# KiCad board SNES_AdvancedFlash_1-2.kicad_pcb (continued)
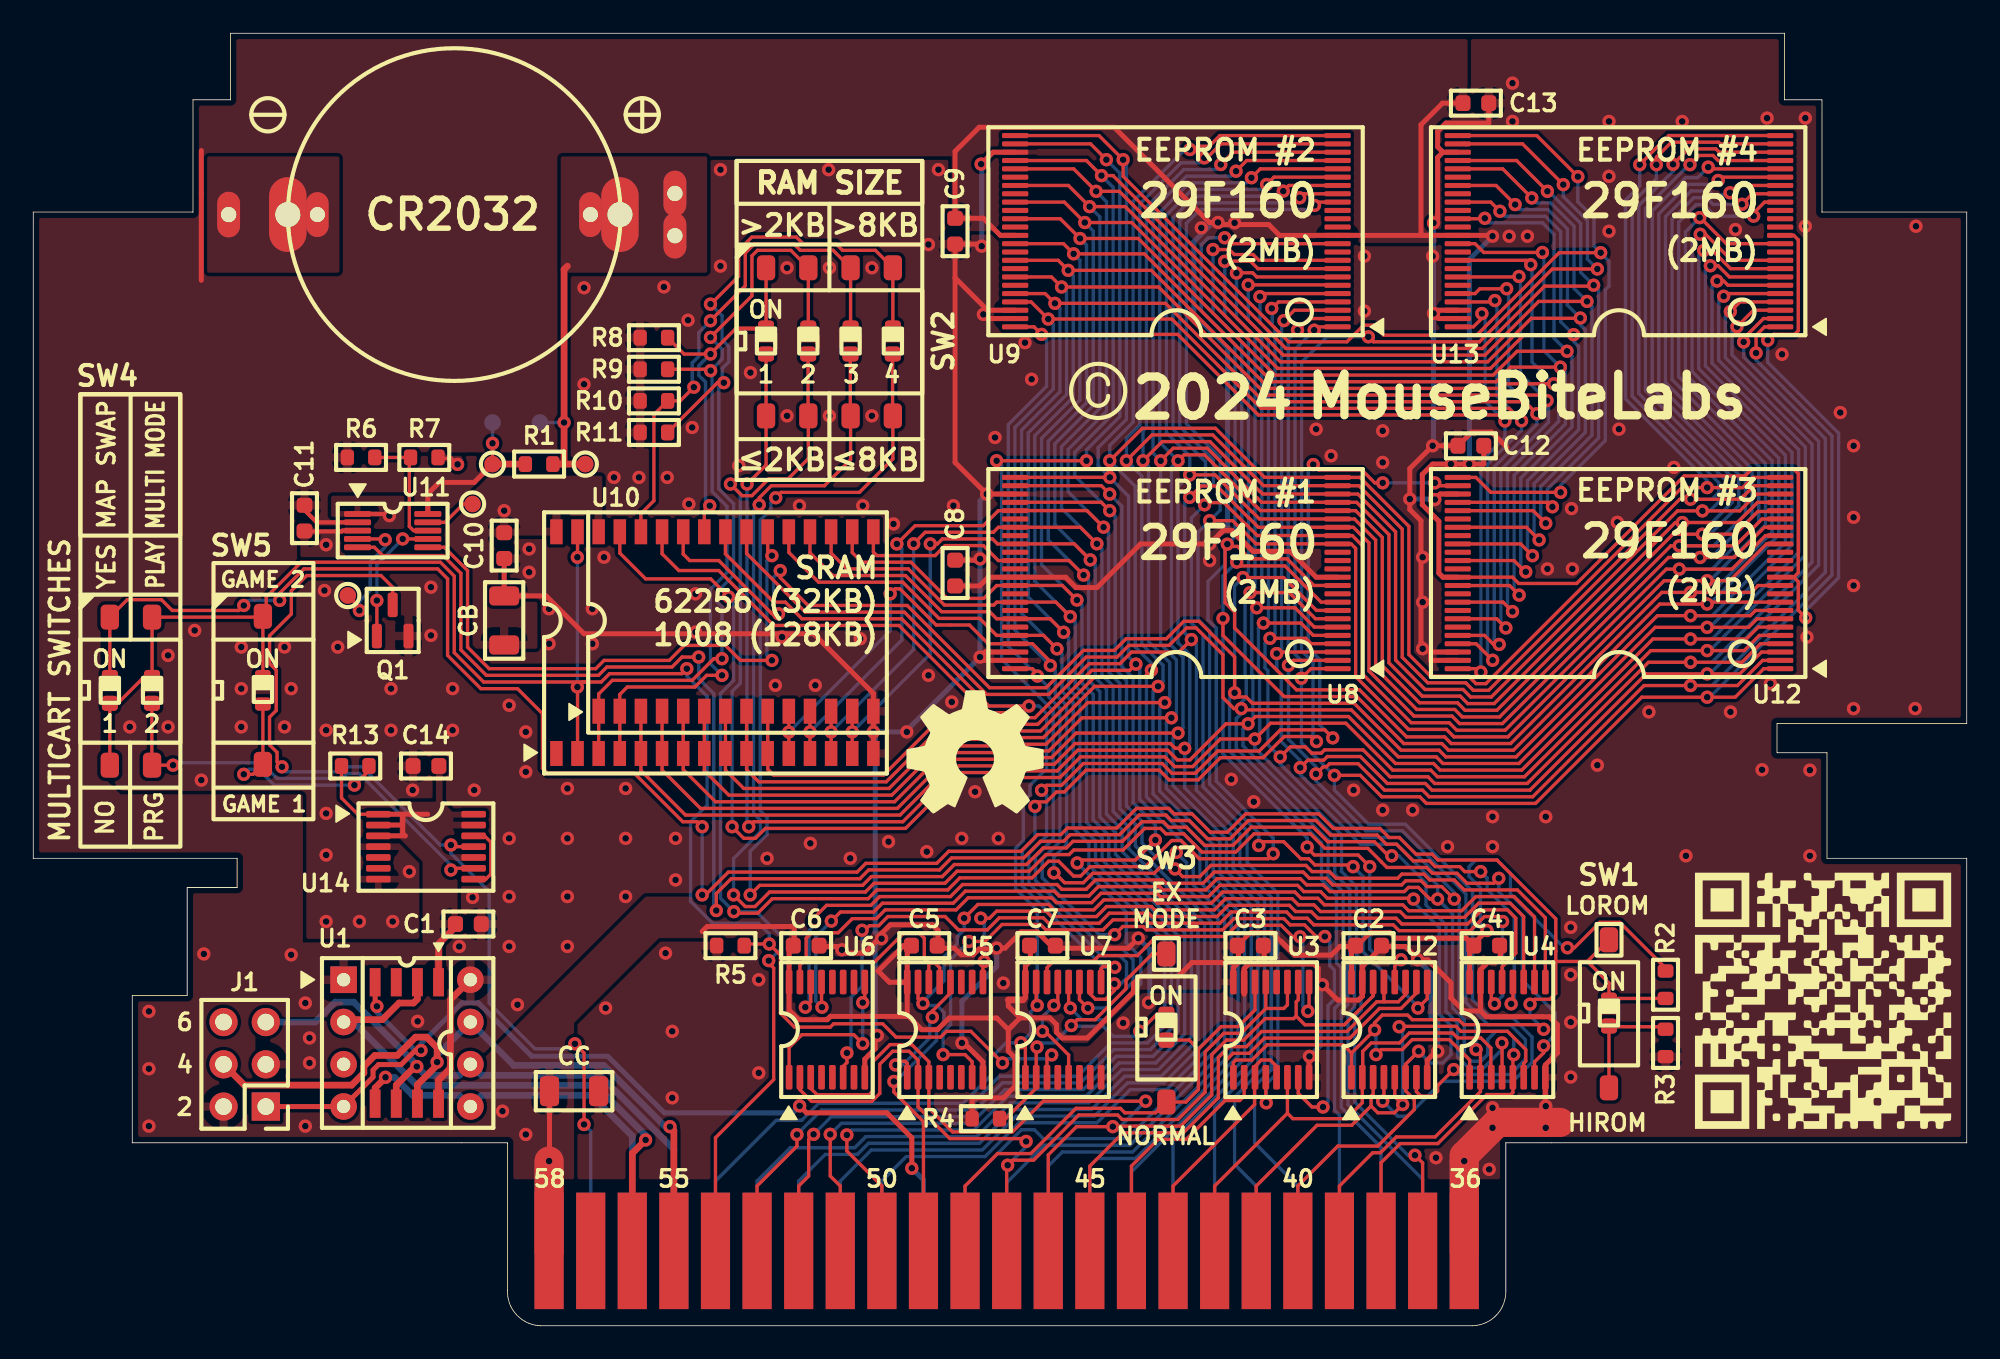
[diagram p0: board, top side]
## Routing (per net, layer and track width the routed paths; a pad name or vN(x,y) marks a point on that pad's centre or on a via; arc(x,y) is an arc through that point) (continued)
  Bottom w1.75: P1.5 v1(86,9.9)
  vias: v1(5.8,36) v1(8.1,40.3) v1(8.1,36) v1(9.7,41.8) v1(10.1,32.8) v1(12.5,40.8) v1(12.5,38.3) v1(12.5,36) v1(15.1,40.8) v1(15.1,36) v1(15.5,38.3) v1(16.6,17.3) v1(16.6,15.8) v1(17.5,44.2) v1(17.6,46.95) v1(17.6,35.8) v1(17.6,30.8) v1(17.6,28.3) v1(17.6,24.3) v1(18.3,40.8) v1(19.6,24.3) v1(21.5,38.3) v1(21.5,35.8) v1(21.6,24.3) v1(22.6,27.3) v1(22.8,32.2) v1(23.1,18.3) v1(23.9,44.4) v1(23.9,41.5) v1(25.2,38.3) v1(25.2,35.8) v1(25.6,22.8) v1(26.4,25.75) v1(26.5,32.2) v1(28.6,37.3) v1(28.6,29.3) v1(28.6,25.8) v1(28.6,22.8) v1(29.1,19.3) v1(29.6,35.7) v1(29.6,33.3) v1(29.8,46.7) v1(29.8,45.3) v1(31,43.1) v1(31,41) v1(32.1,32.3) v1(32.1,29.3) v1(32.1,25.8) v1(32.1,22.8) v1(33.1,62.4) v1(33.1,56.6) v1(33.6,43.1) v1(33.6,41) v1(34.3,46.2) v1(34.4,19.1) v1(34.9,51) v1(35.6,32.3) v1(35.6,29.3) v1(35.6,25.8) v1(36.4,51) v1(37.9,62.45) v1(38,22.4) v1(38.1,51) v1(38.4,17.7) v1(38.4,13.7) v1(38.6,29.3) v1(38.6,26.8) v1(39.35,60.45) v1(39.4,49.4) v1(39.6,54) v1(39.8,44) v1(39.8,41.7) v1(41.3,69.5) v1(41.3,63.7) v1(42.4,51.7) v1(43.1,57.3) v1(43.6,20.8) v1(43.6,15.2) v1(44.1,28.1) v1(44.6,38.5) v1(45,41.4) v1(45.3,63.6) v1(45.3,54.7) v1(46.05,49.3) v1(46.7,29) v1(47,38.5) v1(47.8,69.5) v1(47.85,63.6) v1(47.85,54.7) v1(49.1,28.1) v1(49.7,41.3) v1(49.85,49.3) v1(50.4,63.6) v1(50.4,54.7) v1(51.4,29.1) v1(51.7,48.2) v1(52.5,35.7) v1(53.7,28.5) v1(53.8,65) v1(53.8,39.1) v1(54.4,69.5) v1(55.2,37.5) v1(55.3,49.3) v1(55.8,29.3) v1(56.6,32.1) v1(57.8,53.4) v1(58,29.3) v1(58.3,20.6) v1(59.6,59.1) v1(60,56.9) v1(65.5,18.2) v1(72,32.85) v1(73.35,31.5) v1(77.1,53.9) v1(78,52.3) v1(79.35,32.2) v1(80,64.3) v1(80,61) v1(81.1,53.8) v1(81.1,51.9) v1(81.1,31) v1(82.9,31) v1(83.5,46.2) v1(83.5,43.5) v1(83.5,40.7) v1(84.1,64.3) v1(84.3,10.1) v1(85,28.8) v1(87.5,9.4) v1(87.7,30.6) v1(87.7,28.8) v1(87.7,13.1) v1(87.7,11.9) v1(88.9,74.7) v1(88.9,72.4) v1(90.9,30.6) v1(90.9,13.2) v1(90.9,11.9) v1(91,45.5) v1(92.45,49.12) v1(92.4,23.95) v1(92.4,21.1) v1(92.4,18.25) v1(92.4,14.95) v1(92.5,45.5) v1(94,33.7) v1(94.7,72.4) v1(94.7,69.1) v1(94.7,65.8) v1(95.2,48.3) v1(95.3,53.9) v1(97.1,36.9) v1(98.6,51.6) v1(99.1,72.4) v1(99.32,28.25) v1(102,36.9) v1(102.3,65.9) v1(103.9,33.42) v1(104.2,72.6) v1(104.4,38.6) v1(105.1,58.4) v1(106.5,72.6) v1(106.5,66.1) v1(106.6,41.4) v1(106.78,33.4) v1(106.78,28.25) v1(108.6,54.9) v1(109.4,52.9) v1(109.4,48.6) v1(109.4,44.5) v1(109.4,37.1) v1(113.1,37.1) v1(113.15,66.1)
+BATT: length 10.3
  Top w0.2: v1(27.6,53.05) TP2.1
  Top w0.3: 23.71,48.83 23.71,50.01 24.4,50.7 26.5,50.7 TP2.1
  Top w0.4: 29.62,51.8 TP2.1
  Bottom w0.2: TP4.1 v1(27.6,53.05)
+VSW: length 2
  Top w0.25: U11.1 21.3,48.8 v1(21.4,48.7)
  Top w0.3: 31.38,47.67 U10.32
  vias: v1(28.3,49)
/A_{0}: length 166.9
  Top w0.2: U9.45 59.97,61.55 v1(61,60.52) 68.42,60.52 73.79,55.15 88.7,55.15 v1(89.45,54.4) ; v1(87.71,40.01) 86.71,41 U12.45 ; v1(61.12,39.69) 61.12,39.93 60.05,41 59.01,41 ; v1(51.5,44) 51.8,44.3 52.09,44.3 54.26,42.12 56.26,42.12 57.39,41 U8.45 ; v1(87.84,61.63) 87.76,61.55 U13.45 ; U10.12 v1(45.41,35.69) U10.12 ; v1(68.69,28.45) 68.62,28.45 67.37,27.2 63.68,27.2 63.11,26.63 61.98,26.63 61.39,27.22 v1(61.34,27.22) 61.34,27.18 61.42,27.1
  Bottom w0.2: v1(61,60.52) 61.3,60.22 61.3,56.31 59,54.01 59,41.82 v1(61.12,39.69) 61.42,39.39 61.42,37.97 62.1,37.3 62.1,28.94 61.34,28.17 v1(61.34,27.22) ; P1.17 56,8.4 59.38,11.78 60.17,11.78 60.7,11.25 65.74,11.25 71.2,16.71 71.2,24.45 69.31,26.33 69.31,27.83 v1(68.69,28.45) ; 45.4,35.7 v1(45.41,35.69) 51.5,41.78 v1(51.5,44) ; v1(87.71,40.01) 87.4,40.31 87.4,51.79 89.45,53.84 v1(89.45,54.4) 87.96,55.88 87.96,61.51 v1(87.84,61.63)
/A_{1}: length 191.8
  Top w0.2: v1(64.7,51) 64.7,51 59.01,51 ; v1(66.27,39.77) 65.9,39.4 63.62,39.4 60.37,36.16 59.38,36.16 59.08,36.46 54.46,36.46 51.1,33.1 44.5,33.1 44.14,33.46 U10.11 U10.11 ; U13.25 90.36,71.55 v1(92.83,69.08) ; v1(94.2,64.51) 91.71,64.51 86.75,59.55 81.15,59.55 80.55,60.15 79.95,60.15 78.95,59.15 75.45,59.15 74.6,60 65.5,69.1 v1(65.5,70.1) 64.05,71.55 U9.25 ; v1(91.79,50.1) 87.6,50.1 86.7,51 U12.25
  Bottom w0.2: v1(65.5,70.1) 65.7,69.9 65.7,54.49 64,52.79 64,51.71 64.7,51.01 v1(64.7,51) 65.82,49.87 65.82,40.22 v1(66.27,39.77) 66.5,39.54 66.5,31.64 69.71,28.42 69.71,26.5 71.6,24.61 71.6,16.54 65.91,10.85 60.75,10.85 58.5,8.6 P1.16 ; v1(91.79,50.1) 91.79,50.53 94.48,53.21 94.48,62.28 94.7,62.5 94.7,63.99 94.2,64.49 v1(94.2,64.51) 93.8,64.91 93.8,66.6 92.83,67.57 v1(92.83,69.08)
/A_{2}: length 207.6
  Top w0.2: U12.24 103.35,51 102.74,50.39 v1(100.6,50.39) 99.09,50.39 87.3,38.6 86.71,38.6 86.26,39.05 83.98,39.05 82.67,40.35 82.67,48.06 79.73,51 U8.24 ; U9.24 71.31,71.55 70.67,70.91 70.67,70.91 70.09,70.91 69.89,70.71 v1(69.52,70.71) ; 64.7,51.99 v1(64.7,52) 66.65,53.95 71.05,53.95 74,51 78.39,51 ; U13.24 104.99,71.55 98.29,71.55 97.15,70.41 97.15,70.4 v1(96.55,69.8) 96.4,69.8 96.3,69.7 ; U10.10 U10.10 42.87,33.43 43.6,32.7 51.27,32.7 54.62,36.06 58.92,36.06 59.22,35.76 60.54,35.76 63.78,39 66.79,39 v1(67.2,39.41)
  Bottom w0.2: v1(96.55,69.8) 96.55,68.53 95.69,67.67 95.69,55.72 100.6,50.81 v1(100.6,50.39) 100.49,50.39 ; v1(69.52,70.71) 69.21,70.71 66.1,67.6 66.1,54.32 64.7,52.92 64.7,51.99 66.22,50.46 66.22,40.81 67.2,39.83 v1(67.2,39.41) 66.9,39.11 66.9,31.8 70.11,28.59 70.11,26.67 72,24.78 72,16.38 66.07,10.45 61.85,10.45 61,9.6 P1.15
/A_{3}: length 206.3
  Top w0.2: U9.23 71.38,71.05 70.54,70.21 v1(70.38,70.21) ; U13.23 101.39,71.05 101.28,71.15 98.45,71.15 97.55,70.25 v1(97.55,69.8) ; 78.39,50.5 73.93,50.5 70.88,53.55 67.24,53.55 65.7,52.01 ; U12.23 103.42,50.5 102.82,49.9 102.81,49.9 102.59,49.69 98.95,49.69 87.47,38.2 86.54,38.2 86.09,38.65 83.81,38.65 82.27,40.18 82.28,47.89 79.67,50.5 U8.23 ; U10.9 U10.9 41.6,33.4 42.7,32.3 51.43,32.3 54.79,35.66 58.75,35.66 59.05,35.36 60.7,35.36 63.78,38.44 v1(67.6,38.44)
  Bottom w0.2: v1(70.38,70.21) 70.08,69.91 68.98,69.91 66.5,67.43 66.5,54.16 65.7,53.35 65.7,52.01 66,51.71 66,51.71 66.41,51.3 66.41,51.3 66.62,51.08 66.62,40.97 67.9,39.7 67.9,38.74 v1(67.6,38.44) 67.3,38.14 67.3,31.97 70.51,28.76 70.51,26.83 72.4,24.95 72.4,16.21 66.24,10.05 63.95,10.05 63.5,9.6 P1.14 ; v1(99.6,49.69) 100.89,49.69 101.3,50.1 101.3,50.68 96.09,55.88 96.09,67.51 97.55,68.96 v1(97.55,69.8)
  vias: v1(65.7,52)
/A_{4}: length 202.2
  Top w0.2: U10.8 U10.8 40.33,33.37 41.8,31.9 51.6,31.9 54.95,35.26 58.58,35.26 58.88,34.96 60.87,34.96 63.38,37.46 v1(68,37.46) ; 78.39,50 73.89,50 73.74,50.15 73.72,50.15 70.72,53.15 67.85,53.15 v1(66.7,52) 66.7,51.99 ; U13.22 101.32,70.55 101.12,70.75 99.48,70.75 v1(98.55,69.82) ; U9.22 72.11,70.55 v1(71.37,69.81) ; U8.22 79.6,50 81.88,47.73 81.87,40.02 83.64,38.25 85.93,38.25 86.38,37.8 87.63,37.8 98.82,48.99 102.56,48.99 103.57,50 U12.22
  Bottom w0.2: P1.13 66,9.25 72.8,16.05 72.8,25.11 70.91,27 70.91,28.92 67.7,32.14 67.7,37.16 v1(68,37.46) 68.3,37.76 68.3,39.86 67.02,41.14 67.02,51.67 v1(66.7,52) 66.7,53.79 66.9,53.99 66.9,67.26 69.14,69.51 71.07,69.51 v1(71.37,69.81) ; v1(100.31,48.99) 100.75,48.99 101.7,49.93 101.7,50.84 96.49,56.05 96.49,67.34 98.55,69.4 v1(98.55,69.82)
/A_{5}: length 202.2
  Top w0.2: v1(99.57,69.8) 100.12,70.35 100.95,70.35 101.26,70.05 U13.21 ; 78.39,49.5 73.82,49.5 73.57,49.75 73.55,49.75 70.55,52.75 68.51,52.75 v1(67.76,52) 67.76,51.94 ; U12.21 103.63,49.5 102.42,48.29 98.68,48.29 87.8,37.4 86.21,37.4 85.76,37.85 83.48,37.85 81.47,39.85 81.47,47.56 79.54,49.5 U8.21 ; v1(72.29,69.41) 72.93,70.05 U9.21 ; v1(68.4,36.55) 63.03,36.55 61.03,34.56 58.72,34.56 58.42,34.86 55.12,34.86 51.76,31.5 41,31.5 39.06,33.44 U10.7 U10.7
  Bottom w0.2: P1.12 68.5,11.18 69.62,12.3 73.2,15.88 73.2,25.28 71.31,27.16 71.31,29.09 68.1,32.3 68.1,36.25 v1(68.4,36.55) 68.7,36.85 68.7,40.03 67.76,40.97 v1(67.76,52) 67.3,52.46 67.3,67.1 69.31,69.11 71.99,69.11 v1(72.29,69.41) ; 99.57,69.75 v1(99.57,69.8) 99.52,69.8 96.89,67.17 96.89,56.22 102.1,51.01 102.1,49.5 100.89,48.29 v1(99.11,48.29)
/A_{6}: length 200
  Top w0.2: 78.39,49 73.76,49 73.41,49.35 73.39,49.35 70.39,52.35 69.15,52.35 v1(68.8,52) ; U10.6 U10.6 37.79,33.41 40.1,31.1 51.93,31.1 55.28,34.46 58.25,34.46 58.55,34.16 61.2,34.16 62.67,35.63 v1(68.8,35.63) ; v1(100.66,69.65) 100.77,69.55 U13.20 ; U8.20 79.47,49 81.07,47.4 81.07,39.69 83.31,37.45 85.6,37.45 86.05,37 87.96,37 98.55,47.59 102.29,47.59 103.65,48.95 104.95,48.95 104.99,48.99 U12.20 ; v1(73.21,69.01) 73.75,69.55 U9.20
  Bottom w0.2: v1(100.31,47.59) 100.79,47.59 102.5,49.3 102.5,51.17 97.29,56.38 97.29,67.01 99.3,69.02 100.03,69.02 v1(100.66,69.65) ; P1.11 71,13.12 73.6,15.72 73.6,25.44 71.71,27.33 71.71,29.25 68.5,32.47 68.5,35.33 v1(68.8,35.63) 69.1,35.93 69.1,40.19 68.4,40.89 68.4,51.6 v1(68.8,52) 67.7,53.1 67.7,66.93 69.48,68.71 72.9,68.71 v1(73.21,69.01)
/A_{7}: length 201.7
  Top w0.2: U12.19 103.9,48.5 102.29,46.89 98.41,46.89 88.13,36.6 85.88,36.6 85.43,37.05 83.15,37.05 80.67,39.52 80.67,47.23 79.4,48.5 U8.19 ; U13.19 101.46,69.05 v1(101.26,68.85) ; 78.39,48.5 73.69,48.5 73.24,48.95 73.22,48.95 71.02,51.15 v1(69.5,51.15) ; v1(74.12,68.61) 74.57,69.05 U9.19 ; v1(69.2,34.71) 68.63,34.71 68.34,35 62.61,35 61.37,33.76 58.39,33.76 58.09,34.06 55.45,34.06 52.09,30.7 39.2,30.7 36.52,33.38 U10.5 U10.5
  Bottom w0.2: P1.10 73.5,8.4 72.2,9.7 72.2,13.75 74,15.55 74,25.61 72.11,27.49 72.11,29.42 69.2,32.33 v1(69.2,34.71) 69.5,35.01 69.5,40.36 68.8,41.06 68.8,50.45 v1(69.5,51.15) 69.5,52.29 68.1,53.69 68.1,66.77 69.64,68.31 73.82,68.31 v1(74.12,68.61) ; v1(101.26,68.85) 101.03,68.62 99.47,68.62 97.69,66.84 97.69,56.55 102.9,51.34 102.9,48.8 100.99,46.89 v1(98.92,46.89)
/A_{8}: length 200.2
  Top w0.2: v1(69.5,49.8) 70.18,50.48 71.13,50.48 73.06,48.55 73.07,48.55 73.62,48 78.39,48 ; v1(75.12,68.21) 75.47,68.55 U9.18 ; v1(101.97,68.11) 102.41,68.55 U13.18 ; U10.27 37.79,46.41 38.8,45.4 41.2,45.4 44.5,42.1 52.03,42.1 57.27,36.86 59.25,36.86 59.55,36.56 60.21,36.56 63.45,39.8 65.31,39.8 66.01,40.5 68.85,40.5 v1(69.6,41.25) ; U8.18 79.34,48 80.28,47.06 80.28,39.36 82.98,36.65 85.27,36.65 85.72,36.2 88.29,36.2 98.28,46.19 102.22,46.19 104.04,48 U12.18
  Bottom w0.2: v1(100.17,46.19) 100.85,46.19 103.3,48.63 103.3,51.5 98.09,56.71 98.09,66.68 99.63,68.22 100.71,68.22 100.93,68 101.86,68 v1(101.97,68.11) ; v1(75.12,68.21) 74.82,67.91 69.81,67.91 68.5,66.6 68.5,53.9 70.45,51.94 70.45,50.76 69.5,49.8 v1(69.5,49.8) 69.2,49.5 69.2,41.65 v1(69.6,41.25) 69.9,40.95 69.9,32.2 72.51,29.58 72.51,27.66 74.4,25.77 74.4,15.39 73.4,14.39 73.4,11 76,8.4 P1.9
/A_{9}: length 194.1
  Top w0.2: v1(100.39,64.64) 100.92,64.64 102,63.55 U13.8 ; 78.39,43 77.12,43 75.15,44.98 v1(72.7,44.98) ; v1(44.89,45.4) 44.89,44.97 46.57,43.3 52.52,43.3 57.47,38.36 60.87,38.36 63.12,40.6 64.97,40.6 65.67,41.3 68.1,41.3 69.15,42.35 70.06,42.35 72.2,40.21 v1(72.2,38.05) 72.45,37.8 72.89,37.8 73.27,37.42 79.38,37.42 82.2,34.6 84.49,34.6 84.89,34.2 89.12,34.2 97.61,42.69 103.19,42.69 103.5,43 U12.8 ; U10.26 39.06,46.39 39.45,46 41.2,46 44.4,42.8 v1(44.79,42.8) ; v1(71.6,63.99) 71.61,64 73.15,64 73.6,63.55 U9.8
  Bottom w0.2: v1(71.6,63.99) 71.61,63.98 71.61,60.73 73.03,59.31 73.03,45.31 v1(72.7,44.98) 72.2,44.48 v1(72.2,38.05) 71.9,37.75 71.9,34.54 77.42,29.02 77.42,26.81 78.32,25.91 78.32,21.82 78.6,21.54 78.6,19.47 78.21,19.08 78.21,12.96 78.5,12.67 P1.8 ; v1(44.79,42.8) 44.49,43.1 44.49,45 v1(44.89,45.4) ; v1(99.6,42.69) 100.89,42.69 101.3,43.1 101.3,43.1 105.3,47.1 105.3,52.33 100.09,57.54 100.09,64.34 v1(100.39,64.64)
/A_{10}: length 183.5
  Top w0.2: v1(100.79,63.72) 101.27,63.72 101.94,63.05 U13.7 ; U9.7 73.53,63.05 73.28,63.3 72.33,63.3 v1(72.31,63.28) ; U10.23 42.87,46.43 46.4,42.9 52.36,42.9 57.3,37.96 61.04,37.96 63.28,40.2 65.14,40.2 65.84,40.9 68.26,40.9 69.31,41.95 69.89,41.95 71.5,40.34 71.5,37.76 72.16,37.1 v1(72.6,37.1) 72.68,37.02 79.21,37.02 82.04,34.2 84.32,34.2 84.72,33.8 89.29,33.8 97.47,41.99 103.09,41.99 103.61,42.5 U12.7 ; 78.39,42.5 77.05,42.5 75.48,44.08 v1(73.13,44.08)
  Bottom w0.2: v1(72.31,63.28) 72.32,63.27 72.32,60.59 73.43,59.48 73.43,44.38 v1(73.13,44.08) 72.83,43.78 72.83,39.01 72.9,38.93 72.9,37.76 72.6,37.46 v1(72.6,37.1) ; 72.8,37 72.3,36.5 72.3,34.71 77.82,29.19 77.82,26.98 78.72,26.08 78.72,21.98 79,21.7 79,19.3 78.61,18.92 78.61,13.12 81,10.73 P1.7 ; v1(100.79,63.72) 100.49,63.42 100.49,57.71 105.7,52.5 105.7,46.93 101.7,42.93 101.7,42.93 100.76,41.99 v1(100.6,41.99)
/A_{11}: length 204.9
  Top w0.2: SW2.1 SW2.1 44.04,51.74 v1(42.9,50.6) ; v1(101.19,62.81) 101.59,62.81 101.85,62.55 U13.6 ; 78.39,42 76.99,42 75.83,43.16 v1(73.53,43.16) ; U9.6 78.36,62.57 v1(73.02,62.57) ; v1(43,30) 43.3,30.3 52.26,30.3 55.62,33.66 57.92,33.66 58.22,33.36 61.53,33.36 62.78,34.6 68.18,34.6 68.76,34.01 69.51,34.01 71.69,36.19 v1(73.01,36.19) 73.44,36.62 79.05,36.62 81.87,33.8 84.16,33.8 84.56,33.4 89.45,33.4 97.34,41.29 102.96,41.29 103.67,42 U12.6
  Bottom w0.2: v1(99.6,41.29) 100.89,41.29 101.3,41.7 101.3,41.7 106.1,46.5 106.1,52.66 100.89,57.87 100.89,62.51 v1(101.19,62.81) ; v1(73.02,62.57) 73.02,60.45 73.83,59.64 73.83,43.46 v1(73.53,43.16) 73.23,42.86 73.23,39.17 73.3,39.1 73.3,36.48 v1(73.01,36.19) 72.7,35.88 72.7,34.88 78.22,29.36 78.22,27.14 79.12,26.24 79.12,22.15 79.4,21.87 79.4,19.14 79.01,18.75 79.01,13.29 83.5,8.8 P1.6 ; v1(42.9,50.6) 42.89,50.59 42.89,30.11 v1(43,30)
/A_{12}: length 206.8
  Top w0.2: v1(73.72,61.87) 73.8,61.87 73.98,62.05 U9.5 ; 78.39,41.5 76.92,41.5 76.18,42.24 v1(73.93,42.24) ; v1(101.59,61.89) 101.75,62.05 U13.5 ; U12.5 103.74,41.5 102.82,40.59 97.21,40.59 89.62,33 84.39,33 83.99,33.4 81.71,33.4 78.88,36.22 74.36,36.22 v1(73.41,35.27) 71.34,35.27 69.68,33.61 68.6,33.61 68.01,34.2 62.94,34.2 61.7,32.96 58.06,32.96 57.76,33.26 55.78,33.26 52.43,29.9 44,29.9 43.4,29.3 42.7,29.3 v1(42,30) ; SW2.2 46.56,54.71 SW2.2 46.58,52.13 45.35,50.9 44.19,50.9 43.19,49.9 42.6,49.9 v1(41.9,50.6) ; v1(83.04,10.25) 83.5,9.79 P1.37
  Bottom w0.2: v1(100.6,40.59) 100.76,40.59 101.7,41.53 101.7,41.53 106.5,46.33 106.5,52.83 101.29,58.04 101.29,61.59 v1(101.59,61.89) ; v1(83.04,10.25) 82.62,10.25 79.41,13.45 79.41,18.59 79.8,18.97 79.8,22.03 79.52,22.31 79.52,26.41 78.62,27.31 78.62,29.52 73.41,34.73 v1(73.41,35.27) 73.71,35.57 73.71,36.48 73.7,36.48 73.7,39.27 73.63,39.34 73.63,41.94 v1(73.93,42.24) 74.23,42.54 74.23,59.81 73.73,60.3 73.73,61.86 v1(73.72,61.87) ; v1(42,30) 42,38.13 42.49,38.63 42.49,50.01 v1(41.9,50.6)
/A_{13}: length 193.7
  Top w0.2: U13.4 102.57,61.55 v1(101.99,60.97) ; v1(88.97,16.29) 88.92,16.24 U4.5 88.92,14.02 88.8,13.9 87.37,13.9 84.42,10.95 82.15,10.95 81,9.8 P1.38 ; v1(74.43,61.16) 74.44,61.16 74.84,61.55 U9.4 ; v1(84.4,25.65) 83.94,25.65 83.24,26.35 82.65,26.35 82.4,26.1 77.93,26.1 77.53,26.5 76.53,26.5 76.15,26.88 71.14,26.88 70.47,26.2 67.9,26.2 67.7,26.4 64.01,26.4 63.44,25.83 61.65,25.83 61.36,26.12 56.02,26.12 55.29,25.4 51.03,25.4 50.51,24.87 48.51,24.87 v1(47.96,24.33) ; 47.38,20.65 47.38,19.17 v1(47.4,19.15) ; 78.39,41 76.8,41 76.47,41.33 v1(74.33,41.33) ; U12.4 103.8,41 102.69,39.89 97.07,39.89 89.79,32.6 84.22,32.6 83.82,33 81.54,33 79.92,34.62 77.61,34.62 77.41,34.42 76.83,34.42 76.45,34.8 75.55,34.8 v1(74.94,34.19)
  Bottom w0.2: v1(47.4,19.15) 47.03,19.52 47.03,23.39 v1(47.96,24.33) ; v1(74.43,61.16) 74.46,61.13 74.46,60.14 74.63,59.97 74.63,41.63 v1(74.33,41.33) 74.03,41.03 74.03,39.56 74.2,39.38 74.2,34.93 v1(74.94,34.19) 74.94,33.77 79.76,28.95 81.93,28.95 84.4,26.48 v1(84.4,25.65) 85.3,24.75 85.3,19.1 86,18.4 86,16.32 86.42,15.9 87,15.9 87.41,16.31 87.41,17.21 87.9,17.7 88.6,17.7 88.97,17.33 v1(88.97,16.29) ; v1(101.99,60.97) 101.69,60.67 101.69,58.2 106.9,53 106.9,45.9 101.3,40.3 101.3,40.3 100.89,39.89 v1(99.6,39.89)
/A_{14}: length 185.4
  Top w0.2: v1(85.4,25.65) 84.65,26.4 83.76,26.4 83.41,26.75 82.48,26.75 82.23,26.5 78.1,26.5 77.7,26.9 76.69,26.9 76.32,27.27 70.98,27.27 70.3,26.6 68.06,26.6 67.86,26.8 63.84,26.8 63.27,26.23 61.82,26.23 61.52,26.52 55.85,26.52 55.13,25.8 50.87,25.8 50.34,25.27 47.67,25.27 46.96,24.56 v1(46.96,24.33) ; U9.3 75.79,61.05 v1(75.16,60.43) ; P1.39 78.5,8.4 80.5,10.4 80.97,10.4 81.92,11.35 84.25,11.35 86.97,14.08 U4.2 86.97,16.34 v1(86.71,16.6) ; v1(74.73,40.41) 74.82,40.5 78.39,40.5 ; 89.95,32.2 84.06,32.2 83.66,32.6 81.37,32.6 79.75,34.22 77.77,34.22 77.55,34 76.59,34 v1(76.14,33.55) ; 89.95,32.2 89.98,32.22 ; 89.95,32.2 89.98,32.22 ; v1(46.4,19.15) 46.72,19.48 46.72,20.65 ; v1(102.39,60.06) 103.38,61.05 U13.3 ; 89.98,32.22 96.94,39.19 102.56,39.19 103.87,40.5 U12.3
  Bottom w0.2: v1(100.6,39.19) 100.76,39.19 101.7,40.13 101.7,40.13 107.3,45.73 107.3,53.16 102.09,58.37 102.09,59.76 v1(102.39,60.06) ; v1(75.16,60.43) 75.03,60.29 75.03,40.71 v1(74.73,40.41) 74.73,39.42 75,39.15 75,35.12 76.14,33.98 v1(76.14,33.55) 76.14,33.13 79.92,29.35 82.1,29.35 85.4,26.05 v1(85.4,25.65) 85.7,25.35 85.7,19.27 86.71,18.26 v1(86.71,16.6) ; v1(46.4,19.15) 46.63,19.38 46.63,23.77 46.96,24.1 v1(46.96,24.33)
/A_{15}: length 128.8
  Top w0.2: U12.2 103.93,40 102.42,38.49 96.8,38.49 90.12,31.8 83.89,31.8 83.49,32.2 81.21,32.2 79.62,33.79 77.91,33.79 77.72,33.6 77.52,33.6 v1(77.09,33.17) ; U9.2 76.68,60.55 v1(75.98,59.85) ; v1(102.79,59.14) 102.79,59.36 103.98,60.55 U13.2 ; 78.39,40 75.73,40 v1(75.44,39.7) ; v1(85.37,15.4) 84.4,14.43 84.4,14.1 84.1,13.8 83.4,13.8 83.12,14.08 U2.7
  Bottom w0.2: v1(99.6,38.49) 100.89,38.49 107.7,45.3 107.7,53.33 102.79,58.24 v1(102.79,59.14) ; v1(85.37,15.4) 85.66,15.1 88.77,15.1 89.67,16 89.67,17.19 88.77,18.1 87.43,18.1 86.1,19.43 86.1,25.94 82.29,29.75 80.09,29.75 77.09,32.75 v1(77.09,33.17) 77.09,33.6 75.44,35.25 v1(75.44,39.7) 75.43,39.71 75.43,59.29 v1(75.98,59.85)
/A_{16}: length 127.9
  Top w0.2: v1(81.1,13.5) 81.17,13.58 U2.4 ; U12.1 104,39.5 102.29,37.79 96.67,37.79 90.28,31.4 83.73,31.4 83.33,31.8 81.04,31.8 79.76,33.09 v1(78.2,33.09) ; v1(76.21,38.93) 76.79,39.5 78.39,39.5 ; v1(103.54,58.48) 103.54,59.54 104.05,60.05 U13.1 ; v1(76.98,59.85) 77.18,60.05 U9.1
  Bottom w0.2: v1(103.54,58.48) 103.54,58.05 108.1,53.49 108.1,45.13 100.76,37.79 v1(100.6,37.79) ; v1(81.1,13.5) 82,12.6 82.59,12.6 84.69,14.7 88.94,14.7 90.07,15.84 90.07,17.36 88.93,18.5 87.6,18.5 86.5,19.6 86.5,26.11 82.46,30.15 80.26,30.15 78.2,32.21 v1(78.2,33.09) 78.17,33.09 76.21,35.04 v1(76.21,38.93) 76.21,39.99 75.83,40.37 75.83,58.7 v1(76.98,59.85)
/A_{17}: length 128
  Top w0.2: v1(77.51,13.15) 76.85,13.15 76.03,13.97 U3.7 ; v1(87.06,60.85) 87.06,60.56 86.55,60.05 U13.48 ; U9.48 60.15,60.05 v1(60.6,59.6) 68.78,59.6 73.63,54.75 88.08,54.75 v1(88.45,54.39) ; v1(64.99,23.51) 65.48,24 66.7,24 66.9,23.8 71.48,23.8 72.16,24.47 75.16,24.47 75.53,24.1 76.4,24.1 77.1,23.4 v1(77.62,23.4) ; v1(60.35,39.06) 60.35,39.2 60.05,39.5 59.01,39.5 ; U12.48 86.8,39.5 v1(87,39.3)
  Bottom w0.2: v1(77.62,23.4) 77.92,23.1 77.92,21.65 78.2,21.37 78.2,19.63 77.81,19.25 77.81,13.45 v1(77.51,13.15) ; v1(64.99,23.51) 64.06,23.51 60.64,26.94 60.64,28.04 61.7,29.1 61.7,37.13 61.02,37.81 61.02,38.38 v1(60.35,39.06) 60.35,39.1 58.6,40.85 58.6,54.17 60.9,56.48 60.9,59.3 v1(60.6,59.6) ; v1(87,39.3) 87,51.96 88.45,53.4 v1(88.45,54.39) 87.26,55.58 87.26,60.66 v1(87.06,60.85)
/A_{18}: length 152
  Top w0.2: v1(74.1,13.4) 74.07,13.42 U3.4 ; U8.17 79.27,47.5 79.88,46.9 79.88,39.19 82.82,36.25 85.1,36.25 85.55,35.8 88.46,35.8 98.15,45.49 102.09,45.49 104.1,47.5 U12.17 ; v1(70.39,49.35) 70.52,49.48 71.56,49.48 72.89,48.15 72.91,48.15 73.56,47.5 78.39,47.5 ; U13.17 103.33,68.05 v1(102.69,67.42) ; v1(76.11,67.81) 76.35,68.05 U9.17
  Bottom w0.2: v1(102.69,67.42) 102.27,67.42 102.26,67.41 100.95,67.41 100.55,67.82 99.8,67.82 98.49,66.51 98.49,56.88 103.7,51.67 103.7,48.3 101.3,45.9 101.3,45.9 100.89,45.49 v1(98.92,45.49) ; v1(74.1,13.4) 74.1,14.52 74.8,15.22 74.8,15.55 74.8,26 72.95,27.85 72.95,29.75 70.3,32.4 70.3,41.54 69.6,42.24 69.6,48.56 v1(70.39,49.35) 70.52,49.48 70.52,50.07 70.93,50.48 70.93,52.03 68.9,54.06 68.9,66.44 69.97,67.51 75.81,67.51 v1(76.11,67.81)
/A_{19}: length 149.8
  Top w0.2: U2.9 83.78,19.66 v1(83.22,19.1) ; 70.65,48.4 72.08,48.4 72.72,47.75 72.74,47.75 73.49,47 78.39,47 ; U12.16 104.17,47 101.95,44.79 98.01,44.79 88.63,35.4 85.38,35.4 84.93,35.85 82.65,35.85 79.47,39.02 79.47,46.73 79.21,47 U8.16 ; v1(79.32,27.6) 79.22,27.7 77.03,27.7 76.65,28.08 76.17,28.08 75.15,29.1 73.88,29.1 v1(73.65,28.87) ; v1(77,67.35) 77.2,67.55 U9.16 ; v1(103.39,66.7) 103.39,66.89 104.05,67.55 U13.16
  Bottom w0.2: v1(79.32,27.6) 79.92,27 79.92,22.48 83.22,19.18 v1(83.22,19.1) ; v1(73.65,28.87) 73.65,29.62 70.7,32.57 70.7,41.77 70,42.47 70,47.7 v1(70.7,48.4) 71.33,49.03 71.33,52.2 69.3,54.23 69.3,66.27 70.14,67.11 76.76,67.11 v1(77,67.35) ; v1(100.6,44.79) 100.76,44.79 101.7,45.73 101.7,45.73 104.1,48.13 104.1,51.84 98.89,57.04 98.89,66.35 99.95,67.4 100.4,67.4 101.1,66.7 v1(103.39,66.7)
/A_{20}: length 139.9
  Top w0.2: v1(70.9,64.7) 71.88,64.7 72.18,64.4 73.31,64.4 73.66,64.05 U9.9 ; v1(100.18,65.62) 100.5,65.62 102.07,64.05 U13.9 ; v1(76.56,28.77) 76.56,28.73 76.99,28.3 79.62,28.3 v1(80.32,27.6) ; v1(82.2,22) 81.82,21.62 U2.12 ; v1(72.33,45.91) 72.55,45.68 75.22,45.68 77.4,43.5 78.39,43.5 ; U12.9 100.71,43.5 v1(100.6,43.39) 97.74,43.39 88.96,34.6 85.05,34.6 84.65,35 82.37,35 79.55,37.82 75.18,37.82 71.5,41.5 v1(71.5,42.52)
  Bottom w0.2: v1(76.56,28.77) 76.56,29.32 71.5,34.38 v1(71.5,42.52) 71.5,45.08 v1(72.33,45.91) 72.63,46.21 72.63,59.14 70.9,60.87 70.9,64.7 v1(70.9,64.7) ; v1(100.6,43.39) 100.76,43.39 101.7,44.33 101.7,44.33 104.9,47.53 104.9,52.17 99.69,57.38 99.69,65.13 v1(100.18,65.62) ; v1(80.32,27.6) 80.32,22.64 80.97,22 v1(82.2,22)
/A_{21}: length 23.9
  Top w0.2: U3.9 76.67,18.98 v1(76.6,18.91) ; v1(76.13,23.38) 75.69,23.38 74.99,24.08 72.32,24.08 71.65,23.4 67.5,23.4 66.35,22.25 64.05,22.25 63.72,21.92 61.32,21.92 60.92,21.52 60.92,20.65
  Bottom w0.2: v1(76.13,23.38) 76.3,23.21 76.3,19.21 v1(76.6,18.91)
/AA_{15}: length 83.4
  Top w0.2: 54.47,20.65 54.47,21.52 54.2,21.8 53.82,21.8 ; v1(82.95,25.65) 82.9,25.7 77.77,25.7 77.37,26.1 76.36,26.1 75.99,26.47 71.31,26.47 70.63,25.8 67.73,25.8 67.53,26 64.17,26 63.61,25.43 61.48,25.43 61.19,25.72 56.18,25.72 55.46,25 51.2,25 50.67,24.47 49.22,24.47 48.38,23.62 46.78,23.62 46.45,23.3 46.45,22.05 46.3,21.9 ; 46.3,21.9 50.6,21.9 52.33,23.62 53.22,23.62 53.55,23.3 53.55,22.08 53.82,21.8 ; 46.3,21.9 46.07,21.67 46.07,20.65 ; P1.40 76,8.4 78.4,10.8 80.8,10.8 83,13 83,13.6 82.47,14.12 82.47,14.92 ; 53.82,20.65 53.82,21.8 ; U2.6 82.47,15.72 v1(83.26,16.5)
  Bottom w0.2: v1(82.95,25.65) 82.95,25.48 84.5,23.93 84.5,18.73 85.2,18.03 85.2,16.3 84.7,15.8 83.96,15.8 v1(83.26,16.5)
/BA_{0}: length 33.4
  Top w0.2: P1.41 73.5,8.4 77.15,12.05 79.24,12.05 80.4,13.21 ; U2.5 81.82,13.77 v1(82.3,13.3) 81.8,12.8 80.81,12.8 80.4,13.21 ; 80.4,13.21 80.4,13.8 80.53,13.92 U2.3 ; U4.6 89.57,15.77 89.7,15.9 89.7,16.6 88.6,17.7 85.8,17.7 85.5,18 82.11,18 v1(82.09,17.98)
  Bottom w0.2: v1(82.3,13.3) 82.3,17.77 v1(82.09,17.98)
/BA_{1}: length 30.7
  Top w0.2: U4.3 87.6,14.96 87.6,16.7 87,17.3 85.6,17.3 85.3,17.6 82.7,17.6 82.1,17 80.41,17 79.9,16.49 79.9,15.61 79.88,15.58 79.88,13.41 78.92,12.45 75.7,12.45 75.38,12.77 ; 75.38,12.77 71,8.4 P1.42 ; 75.38,12.77 U3.6
/BA_{2}: length 15.5
  Top w0.2: P1.43 68.5,8.4 73.4,13.3 73.4,14.91 73.42,14.94 73.42,15.59 73.81,15.97 74.34,15.97 74.72,15.59 U3.5 74.8,14.86
/BA_{3}: length 31
  Top w0.2: 71.62,13.54 71.62,15.89 72.11,16.38 73.07,16.38 73.99,17.29 79.12,17.29 80.91,19.08 82.2,19.08 83.12,20 83.12,20.65 ; 71.62,13.54 72.5,13.54 72.78,13.81 U3.2 ; 71.62,13.54 69.29,11.2 67.6,11.2 66,9.6 P1.44
/BA_{4}: length 31.7
  Top w0.2: U2.13 81.17,19.47 ; 81.17,19.47 80.74,19.47 78.96,17.69 73.82,17.69 72.91,16.77 71.88,16.77 71.22,16.12 71.22,13.7 69.12,11.6 65.5,11.6 63.5,9.6 P1.45 ; 81.17,19.47 82.04,19.47 82.47,19.91 82.47,20.65
/BA_{5}: length 65.1
  Top w0.2: 75.9,18.62 75.75,18.47 74.03,18.47 72.74,17.17 71.72,17.17 71.72,17.18 70.82,16.29 70.82,13.87 68.96,12 64.91,12 v1(64.88,11.97) 62.7,11.97 61,10.27 P1.46 ; 75.9,18.62 76.43,18.09 78.79,18.09 80.53,19.83 80.53,20.65 ; 75.9,18.62 75.9,19.47 76.03,19.59 76.03,20.65 ; 53.82,14.92 53.82,13.08 55.25,11.65 58.85,11.65 60.7,13.5 v1(66.85,13.5) ; 53.82,14.92 53.82,15.88 52.8,16.9 51.49,16.9 50.47,15.89 50.47,14.13 50.23,13.89 47.11,13.89 46.72,14.27 46.72,14.92 ; 53.82,14.92 53.82,14.27
  Bottom w0.2: v1(64.88,11.97) 65.32,11.97 v1(66.85,13.5)
/BA_{6}: length 53.2
  Top w0.2: U3.13 74.07,19.07 ; 74.07,19.07 75.16,19.07 75.38,19.29 75.38,20.65 ; 74.07,19.07 72.59,17.58 71.55,17.58 70.42,16.46 70.42,14.03 68.79,12.4 65.44,12.4 65.17,12.67 62.83,12.67 60.12,9.95 58.86,9.95 v1(58.56,9.65) 58.5,9.59 P1.47 ; U5.2 53.17,15.96 52.63,16.5 51.65,16.5 50.88,15.72 50.88,13.97 50.4,13.49 46.78,13.49 46.07,14.19 46.07,14.92 ; 53.17,14.92 53.17,13.16 55.08,11.25 59.5,11.25 v1(59.67,11.08)
  Bottom w0.2: v1(59.67,11.08) 59.67,10.76 v1(58.56,9.65)
/BA_{7}: length 31.2
  Top w0.2: SW3.1 69.47,17.17 70.03,16.62 ; 73.42,20.66 73.42,18.99 72.42,17.98 71.39,17.98 70.03,16.62 ; 70.03,16.62 70.03,14.2 69.28,13.45 SW3.1 67.45,12.8 65.6,12.8 65.33,13.07 62.67,13.07 59.95,10.35 57.95,10.35 56,8.4 P1.48
/CIC.CLK: length 34.3
  Top w0.4: U1B1.2 18.79,18.4 20.98,18.4 21.98,19.4 22.85,19.4 23.08,19.63 U1A1.2 ; P1.56 36,10.37 v1(36.8,11.17)
  Bottom w0.4: U1B1.2 19.24,18.26 23.05,14.45 33.8,14.45 36.8,11.45 v1(36.8,11.17)
/CIC.D_{0}: length 44.3
  Top w0.4: P1.55 38.5,11.73 v1(38.27,11.97) ; J1.4 12.68,14.47 19.14,14.47 19.87,15.2 19.87,15.6 20.52,16.25 21.87,16.25 22.97,17.35 23.64,17.35 24.27,16.71 v1(24.27,15.85) 24.27,15.67 23.08,14.48 U1A1.7
  Bottom w0.4: v1(38.27,11.97) 37.98,11.97 34.3,15.65 28.88,15.65 U1B1.7 24.27,16.26 v1(24.27,15.85)
/CIC.D_{1}: length 38.2
  Top w0.4: v1(23.05,15.58) 22.93,15.58 21.81,14.47 21.81,13.35
  Bottom w0.4: P1.24 38.5,10.6 34.05,15.05 26.94,15.05 U1B1.6 25.6,15.05 23.58,15.05 v1(23.05,15.58) 23.05,15.67 19.26,19.46 18.15,19.46 16.95,18.25 J1.5
/CIC.RST: length 25.6
  Top w0.4: v1(21.17,14.93) 21.17,14.92 20.54,14.3 U1A1.5
  Bottom w0.4: v1(21.17,14.93) 21.72,14.93 22.8,13.85 25.6,13.85 U1B1.5 26.94,13.85 33.55,13.85 36,11.4 P1.25
/D_{0}: length 187.5
  Top w0.2: 59.01,49 63.33,49 v1(64.32,48.01) ; v1(90.9,48.24) 90.14,49 U12.29 ; v1(90.06,67.8) 88.31,69.55 U13.29 ; U9.29 62.53,69.55 v1(63.88,68.2) 65.27,68.2 75.12,58.35 87.25,58.35 90.48,61.58 v1(93.38,61.58) ; U10.13 U10.13 ; v1(51.9,47) 53,48.1 57.1,48.1 58,49 U8.29
  Bottom w0.2: v1(51.9,47) 52.2,46.7 52.2,41.22 v1(46.68,35.7) ; P1.19 51,8.7 52.47,10.17 57.2,10.17 59.23,12.2 63.93,12.2 65.93,14.2 68.12,14.2 70.8,16.88 70.8,24.28 66.24,28.84 66.24,30.15 65.3,31.08 65.3,38.62 64.62,39.3 64.62,47.71 v1(64.32,48.01) 62.2,50.14 62.2,52.68 64.5,54.99 64.5,67.58 v1(63.88,68.2) ; v1(90.9,48.24) 90.6,48.54 90.6,50.47 93.68,53.54 93.68,61.28 v1(93.38,61.58) 92.6,62.36 92.6,66.1 91.2,67.5 90.36,67.5 v1(90.06,67.8)
/D_{1}: length 185.2
  Top w0.2: v1(92.98,60.58) 92.85,60.58 92.83,60.56 90.03,60.56 87.41,57.95 74.95,57.95 74.1,58.8 65.62,67.28 v1(63.48,67.28) 62.21,68.55 U9.31 ; v1(63.92,47.01) 62.93,48 59.01,48 ; v1(90.5,47.24) 89.74,48 U12.31 ; v1(52.91,47.01) 53.6,47.7 57.7,47.7 58,48 U8.31 ; U13.31 87.91,68.55 v1(89.06,67.4) ; U10.14 U10.14
  Bottom w0.2: v1(63.48,67.28) 64.1,66.66 64.1,55.15 61.8,52.85 61.8,49.14 v1(63.92,47.01) 64.22,46.71 64.22,39.13 64.9,38.46 64.9,30.92 65.84,29.98 65.84,28.68 70.4,24.12 70.4,17.04 67.96,14.6 65.76,14.6 63.76,12.6 59.07,12.6 57.04,10.57 50.37,10.57 48.5,8.7 P1.20 ; v1(89.06,67.4) 89.36,67.1 91.04,67.1 92.2,65.94 92.2,61.36 v1(92.98,60.58) 92.98,60.17 93.28,59.87 93.28,53.71 90.2,50.63 90.2,47.54 v1(90.5,47.24) ; v1(52.91,47.01) 52.91,40.66 v1(47.95,35.7)
/D_{2}: length 183.2
  Top w0.2: v1(63.52,46.04) 62.56,47 59.01,47 ; U8.33 57.95,47 57.65,47.3 54.63,47.3 54.34,47 v1(53.91,47) ; v1(92.58,59.58) 89.61,59.58 87.58,57.55 74.79,57.55 66.02,66.32 v1(63.2,66.32) 61.97,67.55 U9.33 ; v1(90.1,46.29) 89.39,47 U12.33 ; U13.33 87.59,67.55 v1(88.14,67) ; U10.15 U10.15
  Bottom w0.2: v1(53.91,47) 53.91,40.39 v1(49.22,35.7) ; v1(63.2,66.32) 63.7,65.82 63.7,55.32 61.4,53.01 61.4,48.17 v1(63.52,46.04) 63.82,45.74 63.82,38.97 64.5,38.29 64.5,30.75 65.44,29.81 65.44,28.51 70,23.95 70,17.21 67.79,15 65.6,15 63.6,13 58.9,13 56.87,10.97 50.2,10.97 49.53,10.3 47.6,10.3 46,8.7 P1.21 ; v1(90.1,46.29) 89.8,46.59 89.8,50.8 92.88,53.87 92.88,58.87 92.58,59.17 v1(92.58,59.58) 91.8,60.36 91.8,65.77 90.87,66.7 88.44,66.7 v1(88.14,67)
/D_{3}: length 172.1
  Top w0.2: 87.2,66.3 87.2,66.54 v1(87.24,66.58) 87.21,66.55 U13.35 ; 59.01,46 62.25,46 v1(63.12,45.13) ; U8.35 58,46 57.1,46.9 54.8,46.9 54.2,46.3 50.7,46.3 50.49,46.51 U10.17 ; v1(92.18,58.58) 89.18,58.58 87.74,57.15 74.62,57.15 66.41,65.36 v1(62.91,65.36) 61.72,66.55 U9.35 ; v1(89.7,45.32) 89.67,45.32 88.99,46 U12.35
  Bottom w0.2: P1.22 43.5,8.7 45.5,10.7 49.37,10.7 50.04,11.37 56.71,11.37 58.74,13.4 63.43,13.4 65.43,15.4 67.63,15.4 69.6,17.37 69.6,23.79 65.04,28.35 65.04,29.65 64.1,30.59 64.1,38.12 63.42,38.8 63.42,44.82 v1(63.12,45.13) 61,47.25 61,53.18 63.3,55.48 63.3,64.97 v1(62.91,65.36) ; v1(89.7,45.32) 89.67,45.32 89.4,45.59 89.4,50.96 92.48,54.04 92.48,58.28 v1(92.18,58.58) 91.4,59.36 91.4,65.61 90.71,66.3 87.52,66.3 v1(87.24,66.58)
/D_{4}: length 167.2
  Top w0.2: U13.38 86.65,65.05 87.18,64.52 v1(90.7,64.52) ; U12.38 88.72,44.5 v1(89.3,43.92) ; P1.50 51,8.4 48.9,10.5 v1(48.9,11.47) ; U8.38 57.9,44.5 57.12,43.72 54.93,43.72 52.75,45.9 49.8,45.9 49.22,46.48 U10.18 ; v1(62.72,43.63) 61.85,44.5 59.01,44.5 ; U9.38 61.91,65.05 v1(62.52,64.44) 66.77,64.44 74.46,56.75 87.91,56.75 88.79,57.63 v1(91.78,57.63)
  Bottom w0.2: v1(48.9,11.47) 49.2,11.77 56.54,11.77 58.57,13.8 63.27,13.8 65.27,15.8 67.46,15.8 69.2,17.54 69.2,23.62 64.64,28.18 64.64,29.48 63.7,30.42 63.7,37.96 63.02,38.63 63.02,43.33 v1(62.72,43.63) 60.6,45.75 60.6,53.35 62.9,55.65 62.9,64.06 v1(62.52,64.44) ; v1(89.3,43.92) 89,44.22 89,51.13 92.08,54.21 92.08,57.33 v1(91.78,57.63) 90.78,58.62 90.78,64.44 v1(90.7,64.52)
